# Altium PCB GameBoard_V1I1_Phase1.PcbDoc (part 17 of 18)
Units mm, origin at the board's own origin, x right, y up, seen from the top; angles counter-clockwise.
Board outline 182 x 70.2 mm, 12 copper layers (L1, L2, L3, L4, L5 (PWR), L6 (PWR), L7 (PWR), L8 (PWR), L9, L10, L11, L12), stack 2.079 mm thick; 1542 components, 1068 nets, 5447 pads, 3805 vias.
Unrouted connection lines stored in the file: 2.
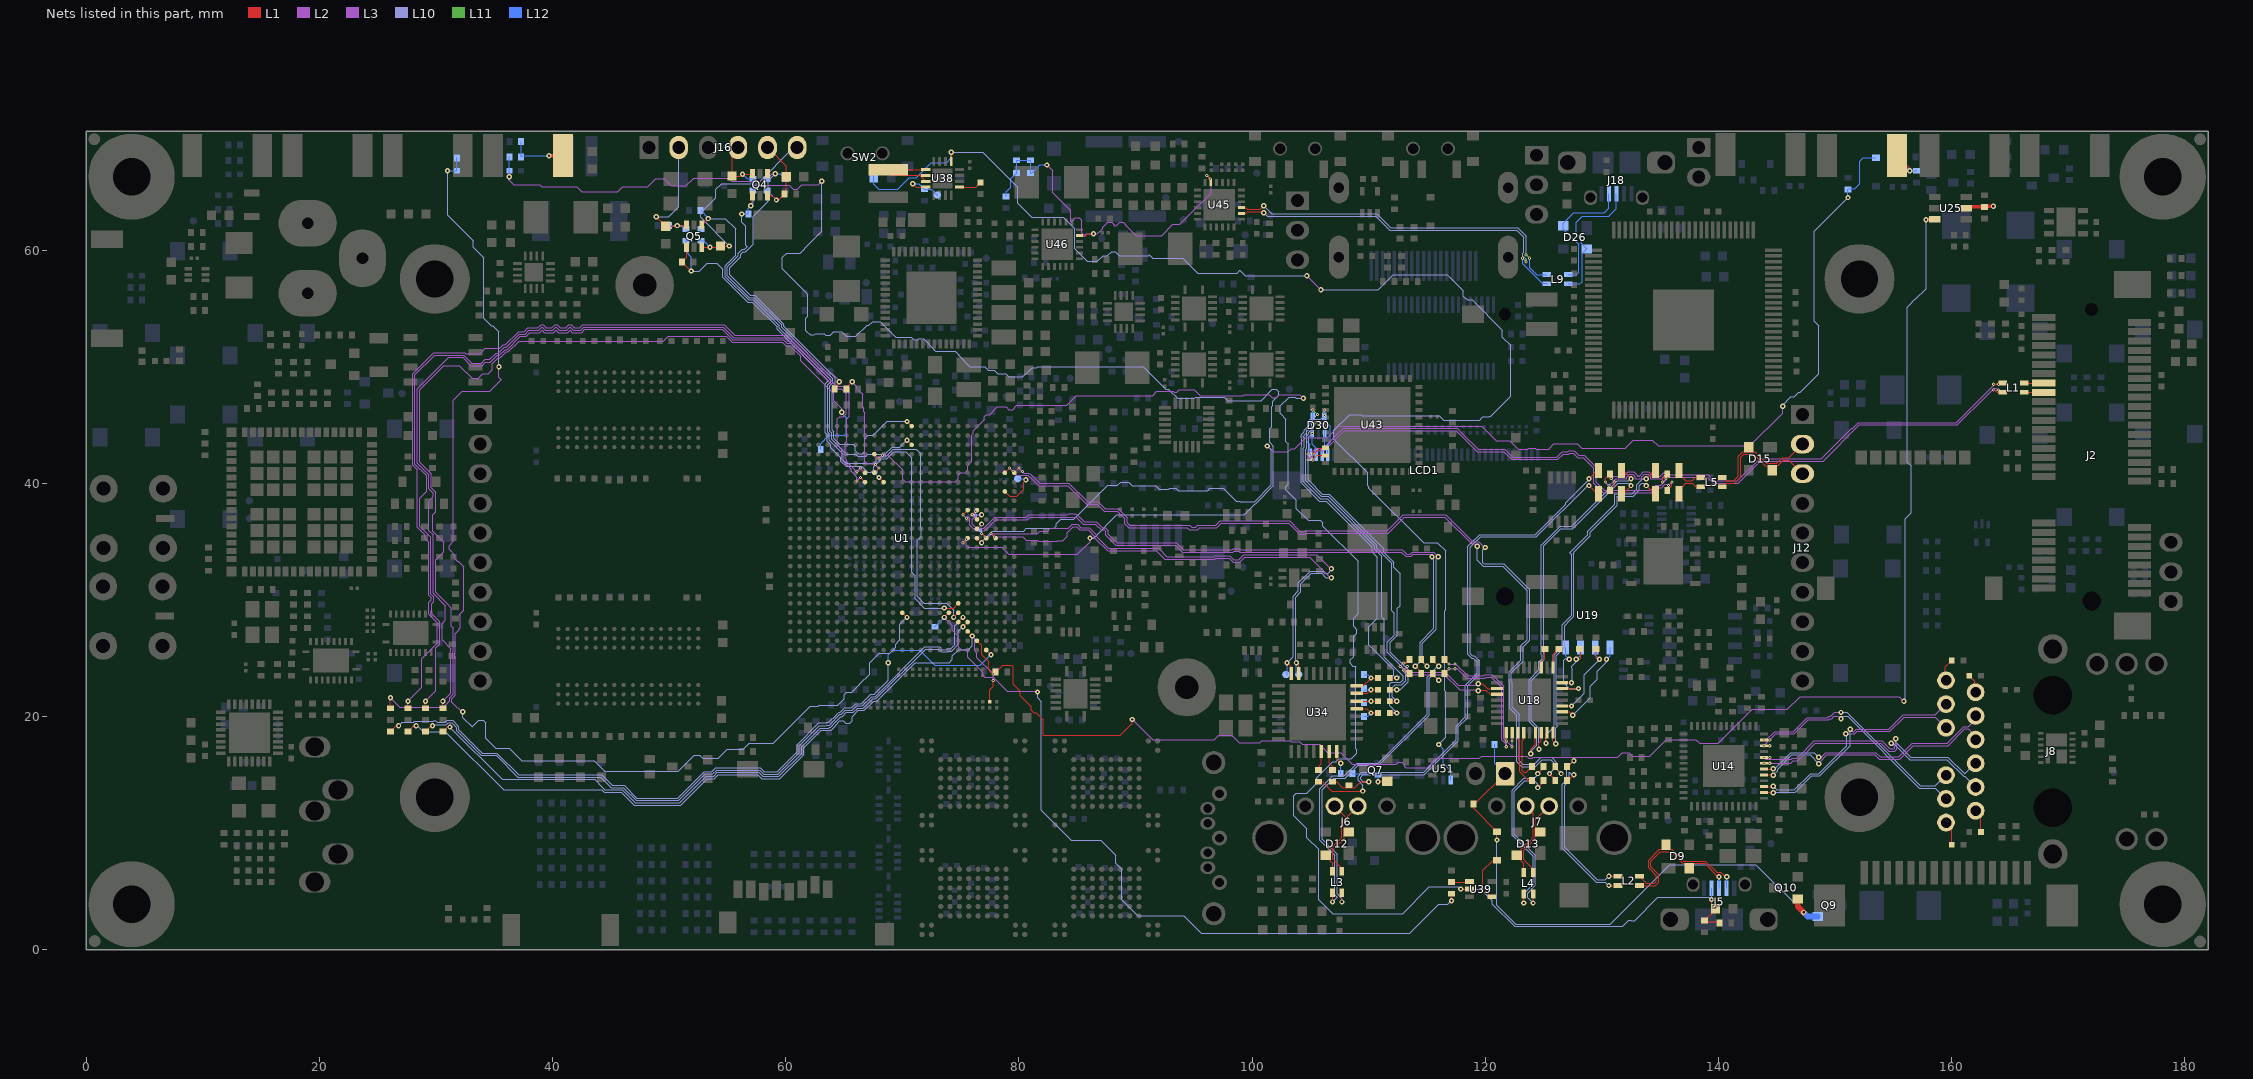
[diagram p27: the nets of this part, all layers, seen from the top]

## Via types
v1: diameter 0.45, hole 0.2, L1 to L12, 1937 vias
v2: diameter 0.45, hole 0.2, L1 to L12, tented both sides, 1004 vias
v3: diameter 0.27, hole 0.1, L1 to L2, 337 vias
v4: diameter 0.27, hole 0.1, L2 to L3, 335 vias
v5: diameter 0.27, hole 0.1, L10 to L11, 96 vias
v6: diameter 0.27, hole 0.1, L11 to L12, 94 vias
v7: diameter 0.27, hole 0.1, L3 to L5 (PWR), 2 vias

## Nets (pads, with @x,y where several pads share a name; then routed paths per layer and width w, separated by ;. In a path a pad name is that pad's centre, name@x,y a point inside that pad or via, vN(x,y) a via of type N, cw(c..) or ccw(c..) an arc to the next point about the centre after c; other vN are vias at no path point) (continued)
SYS_ENABLE: SW2.2 U38.13 U51.1 | length 126
  L1 w0.1: U38.13@74.2,67.6 v1(74.2,68.4)
  L3 w0.1: v1(104.7,57.8) v1(105.9,56.6)
  L10 w0.1: v1(74.2,68.4) 76.9,68.4 79.9,65.4 79.9,64 81.1,62.8 83.8,62.8 84.775,61.825 84.775,60.095 85.845,59.025 86.725,59.025 87.225,59.525 87.595,59.525 87.945,59.875 88.255,59.875 88.605,59.525 91.125,59.525 91.2,59.6 91.5,59.3 94.042,59.3 95.317,58.025 98.708,58.025 98.941,58.259 99.4,57.8 v1(104.7,57.8) ; v1(105.9,56.6) 110.817,56.6 112.117,57.9 116.717,57.9 118.125,56.492 118.125,56.062 118.462,55.725 118.892,55.725 121.475,53.142 121.475,52.538 122.167,51.846 122.167,47.467 120.453,45.753 120.402,45.753 120.35,45.7 119.783,45.7 119.508,45.425 116.445,45.425 116.07,45.8 112.849,45.8 112.831,45.783 109.454,45.783 109.351,45.885 108.362,45.885 107.015,44.538 107.015,43.785 109.9,40.9 109.9,39.78 110.025,39.655 110.025,39.575 114.7,34.9 115.9,34.9 116.6,34.2 116.6,29.174 116.507,29.081 116.507,22.19 116.6,22.097 116.6,18.2 v1(116,17.6)
  L12 w0.1: SW2.2@67.55,66.55 67.55,65.65 68,65.2 69.6,65.2 70.6,66.2 71.2,66.2 72.5,67.5 73.8,67.5 74.2,67.9 v1(74.2,68.4) ; v1(116,17.6) 116.4,17.2 116.4,16 117.05,15.35 U51.1@117.05,14.55
SYS_PG: R317.1 TP23.1 U38.4 | length 3.7
  L1 w0.1: v1(70.9,65.7) 71.2,65.4 U38.4@72,65.4
  L12 w0.1: v1(70.9,65.7) 71.425,65.7 R317.1@71.9,65.225 72.5,65.225 TP23.1@73,64.725
SYS_SS: C356.2 U38.9 | length 2
  L1 w0.1: U38.9@74.9,65.4 76.3,65.4 C356.2@76.7,65.8
SYS_SW: L8.1 U38.1 U38.2 U38.3 | length 7.3
  L1 w0.1: U38.3@72,65.9 71.5,66.4 ; U38.2@72,66.4 71.5,66.4 ; U38.1@72,66.9 68.915,66.9 68.8,66.785 69.185,66.4 71.5,66.4
TAMPER: R80.1 U1.E11 | length 1.2
  L1 w0.1: U1.E11@76.4,36.9 v1(76.8,37.3)
  L12 w0.1: R80.1@76.265,37.1 76.465,37.3 v1(76.8,37.3)
TCT0: C262.2 J8.12 | length 2
  L1 w0.1: J8.12@159.456,23.07 159.456,24.256 C262.2@160,24.8
TCT1: C263.2 J8.6 | length 1.7
  L1 w0.1: C263.2@161.5,23.5 161.996,23.004 J8.6@161.996,22.054
TCT2: C264.2 J8.1 | length 2
  L1 w0.1: J8.1@161.996,11.894 162.5,11.39 C264.2@162.5,10.1
TCT3: C265.2 J8.7 | length 2.1
  L1 w0.1: J8.7@159.456,10.878 160,10.334 C265.2@160,9
TEMP_ADD0: R243.2 R245.2 U25.5 | length 2.4
  L1 w0.3: U25.5@161.25,63.6 161.35,63.7 R243.2@162.8,63.7 162.85,63.75 v2(163.575,63.75)
TEMP_ALERT: R48.1 U1.E24 U25.3 | length 135.9
  L1 w0.093: U1.E24@76.4,26.5 76.8,26.1 76.8,25.3 77.4,24.7 77.4,24 77.6,23.8 R48.1@78,23.8 78.6,24.4 79.4,24.4 79.5,24.3 79.5,22.757 80.1,22.157 80.1,21.8 81.072,20.828 81.072,20.528 81.153,20.447 81.161,20.447 81.247,20.361 81.247,20.353 81.272,20.328 81.472,20.328 82.1,19.7 82.1,18.4 88.7,18.4 89.728,19.429 v1(89.728,19.746)
  L1 w0.3: v2(157.8,62.6) 158.525,62.6 U25.3@158.575,62.65
  L3 w0.093: v1(89.728,19.746) 91.475,18 96.775,18 97.146,18.372 98.254,18.372 98.897,17.728 100.654,17.728 100.825,17.9 103.275,17.9 103.346,17.828 104.072,17.828 104.3,17.6 105.8,17.6 106.5,16.9 107.6,16.9 108.604,15.896 112.371,15.896 112.546,16.071 112.854,16.071 113.072,15.854 113.072,15.689 113.161,15.6 115,15.6 115.8,16.4 119.5,16.4 119.7,16.6 123.575,16.6 123.746,16.428 124.054,16.428 124.125,16.5 131.375,16.5 131.746,16.872 132.328,16.872 132.6,16.6 134.1,16.6 135.521,18.021 138.054,18.021 138.375,17.7 140,17.7 142.9,20.6 145.9,20.6 147,21.7 155.5,21.7 v1(155.9,21.3)
  L10 w0.1: v1(155.9,21.3) 156,21.4 156,36.97 156.515,37.485 156.515,41.497 156.2,41.812 156.2,55.1 156.625,55.525 156.625,55.555 156.845,55.775 156.875,55.775 157.8,56.7 v2(157.8,62.6)
TEST_MODE: R84.2 U1.E12 | length 1.1
  L1 w0.1: U1.E12@76.4,36.1 v1(76.8,36.5)
  L12 w0.1: R84.2@76.7,35.965 76.7,36.4 v1(76.8,36.5)
TRD0_N: J8.10 U14.3 | length 19.4
  L1 w0.1: U14.3@143.89,13.99 v1@144.675,13.99
  L3 w0.1: v1(150.911,18.511) 150.922,18.5 151.683,18.5 151.898,18.715 154.698,18.715 155.931,19.948 158.597,19.948 J8.10@159.513,19.032
  L10 w0.1: v1(144.7,14.015) 145.015,13.7 146.517,13.7 147.917,15.1 148.6,15.1 151,17.5 151,18.422 v1(150.911,18.511)
TRD0_P: J8.11 U14.2 | length 19.7
  L1 w0.1: U14.2@143.89,13.49 v1@144.675,13.49
  L3 w0.1: v1(151.3,18.9) 151.5,18.7 151.6,18.7 151.815,18.915 154.615,18.915 155.848,20.148 158.597,20.148 J8.11@159.513,21.064
  L10 w0.1: v1(144.7,13.465) 144.735,13.5 146.6,13.5 148,14.9 148.683,14.9 151.286,17.503 151.286,18.886 v1(151.3,18.9)
TRD1_N: J8.5 U14.6 | length 20.8
  L1 w0.1: U14.6@143.89,15.49 144.675,15.49 v1(144.7,15.515)
  L3 w0.1: v1(148.6,16.5) 148.817,16.5 149.217,16.9 153.5,16.9 153.859,16.541 155.459,16.541 156.617,17.7 159.617,17.7 161.049,19.132 161.4,19.132 162.053,19.785 J8.5@162.053,20.048
  L10 w0.1: v1(144.7,15.515) 144.832,15.515 146.217,16.9 148.2,16.9 v1(148.6,16.5)
TRD1_P: J8.4 U14.5 | length 21.6
  L1 w0.1: U14.5@143.89,14.99 144.675,14.99 v1(144.7,14.965)
  L3 w0.1: v1(148.6,15.95) 148.6,15.97 149,16.37 149,16.4 149.3,16.7 153.417,16.7 153.776,16.341 155.541,16.341 156.7,17.5 159.7,17.5 161.132,18.932 161.4,18.932 162.053,18.279 J8.4@162.053,18.016
  L10 w0.1: v1(144.7,14.965) 144.7,14.985 145.075,15.36 145.075,15.475 146.3,16.7 147.85,16.7 v1(148.6,15.95)
  L12 w0.1: v1(144.7,14.965) v1@144.7,15.14
TRD2_N: J8.2 U14.8 | length 22.6
  L1 w0.1: v4(143.89,16.49) v3(144.39,16.49)
  L3 w0.1: v4(143.89,16.49) 144.039,16.341 146.259,16.341 146.317,16.4 146.717,16.4 147.342,17.025 147.355,17.025 147.575,17.245 147.575,17.258 148.217,17.9 154,17.9 154.683,17.217 155.034,17.217 155.1,17.283 155.1,17.422 v1(154.811,17.711)
  L10 w0.1: v1(154.811,17.711) 155.006,17.711 156.417,16.3 159.585,16.3 161.017,14.868 161.137,14.868 J8.2@162.053,13.952
  L2 w0.1: v4(143.89,16.49) v3(144.39,16.49)
TRD2_P: J8.3 U14.7 | length 23.1
  L1 w0.1: v4(143.89,15.99) v3(144.39,15.99)
  L3 w0.1: v4(143.89,15.99) 146.19,15.99 146.4,16.2 146.8,16.2 147.425,16.825 147.438,16.825 147.775,17.162 147.775,17.175 148.3,17.7 153.917,17.7 154.6,17.017 155.117,17.017 155.3,17.2 155.3,17.505 155.186,17.619 155.186,18.086 v1(155.2,18.1)
  L10 w0.1: v1(155.2,18.1) 155.2,17.8 156.5,16.5 159.668,16.5 161.1,15.068 161.137,15.068 J8.3@162.053,15.984
  L2 w0.1: v4(143.89,15.99) v3(144.39,15.99)
TRD3_N: J8.9 U14.11 | length 20.6
  L1 w0.1: v4(143.89,17.99) v3(144.39,17.99)
  L3 w0.1: v4(143.89,17.99) 144.107,17.99 144.817,18.7 146.417,18.7 147.617,19.9 149.351,19.9 149.476,20.025 149.642,20.025 149.967,20.35 v1(150.5,20.35)
  L10 w0.1: v1(150.5,20.35) 151.002,20.35 157.3,14.052 158.597,14.052 J8.9@159.513,14.968
  L2 w0.1: v4(143.89,17.99) v3(144.39,17.99)
TRD3_P: J8.8 U14.10 | length 20.8
  L1 w0.1: v4(143.89,17.49) v3(144.39,17.49)
  L3 w0.1: v4(143.89,17.49) 144.9,18.5 146.5,18.5 147.7,19.7 149.434,19.7 149.559,19.825 149.725,19.825 149.9,20 150.3,20 v1(150.5,19.8)
  L10 w0.1: v1(150.5,19.8) 150.7,20 151.069,20 157.217,13.852 158.597,13.852 J8.8@159.513,12.936
  L2 w0.1: v4(143.89,17.49) v3(144.39,17.49)
TS: R477.1 R478.1 R483.2 R484.2 R485.2 U45.11 U46.11 | length 33.1
  L1 w0.1: U46.11@85.2,61.25 85.25,61.2 85.7,61.2 85.9,61.4 v1(86.4,61.4) ; v3(96.115,66.4) 96.45,66.065 U45.11@96.45,65.8
  L3 w0.1: v1(82.4,67.3) 82.9,66.8 82.9,64.9 84.425,63.375 84.425,62.445 84.514,62.445 84.845,62.775 85.155,62.775 85.375,62.555 85.375,61.495 85.62,61.25 85.77,61.4 v1(86.4,61.4) 86.73,61.4 87.175,61.845 87.175,61.945 87.605,62.375 87.955,62.375 88.175,62.155 88.175,62.095 88.364,62.095 88.645,62.375 88.955,62.375 89.175,62.155 89.175,62.145 90.07,61.25 92.25,61.25 93.2,62.2 93.8,62.2 95.65,64.05 95.68,64.05 96.5,64.87 96.5,66.015 v4(96.415,66.1)
  L2 w0.1: v3(96.115,66.4) v4(96.415,66.1)
  L12 w0.1: R485.2@78.9,64.6 78.9,65 79.3,65.4 79.3,66.1 R477.1@79.8,66.6 R484.2@79.8,67.7 R483.2@81,67.7 R478.1@81,66.6 81.1,66.6 81.8,67.3 v1(82.4,67.3)
TS_X+: C333.1 D30.5 FB38.2 LCD1.37 | length 37.6
  L1 w0.1: FB38.2@111.8,20.3 v1(112.4,20.3)
  L10 w0.1: v5(106.2,45.8) 105.885,45.485 105.282,45.485 105.1,45.303 105.1,44.886 104.677,44.463 104.677,44.343 104.475,44.141 104.475,44.096 104.4,44.021 104.4,43.979 104.475,43.904 104.475,43.096 104.4,43.021 104.4,40.134 105.859,38.675 106.438,38.675 110.5,34.613 110.5,34.334 111.1,33.734 111.1,28.509 111.325,28.284 111.325,25.475 111.33,25.47 111.33,25.1 112.975,23.455 112.975,23.145 112.755,22.925 111.925,22.925 111.8,22.8 111.8,20.9 v1(112.4,20.3)
  L11 w0.1: v5(106.2,45.8) v6(106.2,46.3)
  L12 w0.1: v6(106.2,46.3) D30.5@106.2,45.75 106.2,45.4 106.7,44.9 106.7,43.5 106.5,43.3 LCD1.37@106.5,42.45 ; C333.1@111.8,20.3 v1(112.4,20.3)
TS_X+_B: FB38.1 R290.2 U34.21 | length 2.7
  L1 w0.1: U34.21@108.975,20.675 109.825,20.675 v1(110.2,20.3) FB38.1@110.8,20.3
  L12 w0.1: R290.2@109.6,20 109.9,20 v1(110.2,20.3)
TS_X-: C334.1 D30.1 FB39.2 LCD1.38 | length 34.3
  L1 w0.1: FB39.2@111.8,21.3 v1(112.4,21.3)
  L10 w0.1: v5(105.4,45.2) 105.4,45.08 105.306,44.986 105.306,44.809 104.877,44.38 104.877,44.26 104.675,44.058 104.675,44.013 104.662,44 104.675,43.987 104.675,43.013 104.6,42.938 104.6,40.217 105.942,38.875 106.521,38.875 110.7,34.696 110.7,34.417 111.955,33.162 111.955,29.082 112.2,28.838 112.2,26.983 111.583,26.366 111.583,25.5 113.175,23.908 113.175,23.062 112.838,22.725 112.295,22.725 112.025,22.455 112.025,21.675 v1(112.4,21.3)
  L11 w0.1: v5(105.4,45.2) v6(105.9,45.2)
  L12 w0.1: v6(105.9,45.2) 106.238,44.862 D30.1@106.238,44.25 106.238,43.188 106,42.95 LCD1.38@106,42.45 ; C334.1@111.8,21.3 v1(112.4,21.3)
TS_X-_B: FB39.1 R291.2 U34.22 | length 2.4
  L1 w0.1: U34.22@108.975,21.325 110.175,21.325 v1(110.2,21.3) FB39.1@110.8,21.3
  L12 w0.1: R291.2@109.6,21.325 110.175,21.325 v1(110.2,21.3)
TS_Y+: C336.1 D30.4 FB41.2 LCD1.40 | length 34.2
  L1 w0.1: FB41.2@111.8,23.3 v1(112.4,23.3)
  L10 w0.1: v5(105.6,45.9) 105.385,45.685 105.199,45.685 104.9,45.386 104.9,44.969 104.477,44.546 104.477,44.426 104.275,44.224 104.275,44.179 104.2,44.104 104.2,43.896 104.275,43.821 104.275,43.179 104.2,43.104 104.2,40.051 105.776,38.475 106.355,38.475 110.3,34.53 110.3,34.09 110.751,33.638 110.751,28.444 110.008,27.7 110.008,26.14 112.135,24.013 112.135,23.482 112.252,23.365 112.418,23.365 112.535,23.482 112.6,23.417 112.483,23.3 v1(112.4,23.3)
  L11 w0.1: v6(105.2,46.3) v5(105.6,45.9)
  L12 w0.1: LCD1.40@105,42.45 104.962,42.488 104.962,43.338 104.7,43.6 104.7,44.8 105.2,45.3 D30.4@105.2,45.75 v6(105.2,46.3) ; C336.1@111.8,23.3 v1(112.4,23.3)
TS_Y+_B: FB41.1 R293.2 U34.24 | length 2.8
  L1 w0.1: U34.24@108.975,22.625 109.525,22.625 v1(110.2,23.3) FB41.1@110.8,23.3
  L12 w0.1: R293.2@109.6,23.6 109.9,23.6 v1(110.2,23.3)
TS_Y-: C335.1 D30.3 FB40.2 LCD1.39 | length 31.4
  L1 w0.1: FB40.2@111.8,22.3 v1(112.4,22.3)
  L10 w0.1: v5(105.162,44.262) 104.875,43.975 104.875,42.93 104.8,42.855 104.8,40.3 106.025,39.075 106.604,39.075 111.3,34.379 111.3,34.1 112.155,33.245 112.155,32.8 112.7,32.255 112.7,29.5 112.466,29.266 112.466,26.966 111.866,26.366 111.866,25.5 113.375,23.991 113.375,22.979 112.696,22.3 v1(112.4,22.3)
  L11 w0.1: v5(105.162,44.262) v6(105.162,44.762)
  L12 w0.1: v6(105.162,44.762) D30.3@105.162,44.25 105.162,43.338 105.5,43 LCD1.39@105.5,42.45 ; C335.1@111.8,22.3 v1(112.4,22.3)
TS_Y-_B: FB40.1 R292.2 U34.23 | length 2.6
  L1 w0.1: U34.23@108.975,21.975 109.875,21.975 v1(110.2,22.3) FB40.1@110.8,22.3
  L12 w0.1: R292.2@109.6,22.3 v1(110.2,22.3)
UART1_CTS: Q5.4 R236.1 R239.1 U1.G21 | length 55.2
  L1 w0.093: Q5.4@52.8,62.15 v1(53.35,62.7) ; v2(74.4,28.5) U1.G21@74.8,28.9
  L10 w0.093: v1(53.35,62.7) 54.825,62.7 55.7,61.825 55.7,59.546 54.814,58.66 54.814,57.732 56.809,55.736 57.206,55.736 59.447,53.496 59.447,53.287 63.843,48.891 63.843,48.706 63.597,48.46 63.597,44.393 63.736,44.254 63.736,43.692 64.929,42.5 64.929,41.971 65.2,41.7 67.598,41.7 67.765,41.866 67.765,42.237 67.806,42.279 68.584,42.279 69.205,42.9 71.2,42.9 71.575,42.525 71.575,36.2 71.629,36.146 71.629,35.429 71.3,35.1 71.3,30.3 71.629,29.971 71.629,29.946 71.875,29.7 73.8,29.7 74.4,29.1 v2(74.4,28.5)
  L12 w0.093: R236.1@52.7,63.4 53.35,62.75 v1(53.35,62.7) 52.75,62.1 R239.1@52.75,61.8
UART1_CTS_FTDI: D20.1 J16.6 Q5.3 R239.2 | length 18.2
  L1 w0.093: Q5.3@52.8,60.25 v1(53.5,60.25) 54.3,60.25 D20.1@54.4,60.35 v1(55.15,60.35)
  L10 w0.093: v1(55.15,60.35) 52.7,62.8 52.7,63.2 54,64.5 54,65.2 54.5,65.7 57.6,65.7 60.7,68.8 J16.6@60.98,68.8
  L12 w0.093: R239.2@52.75,60.8 52.95,60.8 v1(53.5,60.25)
UART1_RTS: Q5.1 R237.1 R240.1 U1.G20 | length 53.6
  L1 w0.093: Q5.1@51.5,60.25 51.5,59.4 R237.1@51.1,59 v1(51.9,58.2) ; v2(73.6,29.3) 74.4,29.3 U1.G20@74.8,29.7
  L10 w0.093: v1(51.9,58.2) 52.592,58.2 53.263,58.872 54.106,58.872 54.621,58.357 54.621,57.652 56.729,55.543 57.126,55.543 59.254,53.416 59.254,53.207 63.65,48.811 63.65,48.786 63.404,48.54 63.404,44.313 63.543,44.174 63.543,43.612 63.85,43.306 63.85,43.068 64.736,42.181 64.736,41.891 65.177,41.451 66.524,41.451 67.046,40.928 67.354,40.928 67.572,41.146 67.572,41.4 68.257,42.086 68.664,42.086 69.278,42.7 70.3,42.7 70.8,42.2 70.8,32.371 71.093,32.078 71.093,30.107 71.9,29.3 v2(73.6,29.3)
  L12 w0.093: R240.1@51.45,60.8 51.45,59.85 51.9,59.4 v1(51.9,58.2)
UART1_RTS_FTDI: D21.1 J16.2 Q5.6 R238.1 R240.2 | length 11.9
  L1 w0.093: v1(48.9,62.85) D21.1@49.7,62.05 50.65,62.05 v1(50.7,62.1) 51.45,62.1 Q5.6@51.5,62.15
  L10 w0.093: v1(48.9,62.85) 49.95,62.85 50.82,63.72 J16.2@50.82,68.8
  L12 w0.093: R238.1@50,62.1 v1(50.7,62.1) 51.15,62.1 R240.2@51.45,61.8
UART1_RXD: Q4.1 R231.1 R234.1 U1.M3 | length 36.3
  L1 w0.093: v1(57,63.8) 57.15,63.95 Q4.1@57.15,64.65 ; v2(70.4,43.7) U1.M3@70.8,43.3
  L10 w0.093: v1(56.239,63.102) 56.239,62.386 56.571,62.054 56.571,60.401 56.7,60.273 56.492,60.065 56.266,60.065 55.935,59.734 55.935,59.508 55.007,58.58 55.007,57.812 56.889,55.929 57.286,55.929 59.64,53.576 59.64,53.367 64.036,48.971 64.036,48.626 63.79,48.38 63.79,44.473 63.929,44.334 63.929,43.772 65.202,42.5 66.002,42.5 66.166,42.336 66.91,42.336 67.046,42.472 68.504,42.472 69.132,43.1 69.8,43.1 v2(70.4,43.7)
  L12 w0.093: v1(56.239,63.102) 56.242,63.1 R231.1@56.8,63.1 56.8,63.6 v1(57,63.8) 57.2,64 R234.1@57.2,65.1
UART1_RXD_FTDI: D16.1 J16.4 Q4.6 R234.2 | length 5.6
  L1 w0.093: J16.4@55.9,68.8 55.4,68.3 D16.1@55.4,66.35 56.15,66.35 v1(56.3,66.5) 57.1,66.5 Q4.6@57.15,66.55
  L12 w0.093: v1(56.3,66.5) 56.7,66.1 R234.2@57.2,66.1
UART1_TXD: Q4.4 R232.1 R235.1 U1.M1 | length 40.6
  L1 w0.093: Q4.4@58.45,66.55 v1(59.1,66.55) ; v2(70.4,45.3) U1.M1@70.8,44.9
  L10 w0.093: v1(59.1,66.55) 58.5,65.95 58.5,64.175 57.954,63.628 57.928,63.628 57.2,62.9 57.2,60.5 56.571,59.872 56.346,59.872 56.128,59.654 56.128,59.428 55.2,58.5 55.2,57.892 56.969,56.122 57.366,56.122 59.833,53.656 59.833,53.447 64.228,49.051 64.228,48.546 63.983,48.3 63.983,44.553 64.122,44.413 64.122,43.852 64.646,43.329 65.771,43.329 65.975,43.125 65.975,42.8 66.246,42.529 66.554,42.529 66.771,42.746 66.771,43.797 67.075,44.1 67.5,44.1 68.7,45.3 v2(70.4,45.3)
  L12 w0.093: R235.1@58.4,66.1 58.85,66.55 v1(59.1,66.55) 59.55,66.55 R232.1@60,66.1
UART1_TXD_FTDI: D17.1 J16.5 Q4.3 R233.1 R235.2 | length 7.7
  L1 w0.1: J16.5@58.44,68.8 60.05,67.19 D17.1@60.05,66.3 60.05,64.95 R233.1@59.9,64.8 59.4,64.3 v1(59.2,64.3) 58.85,64.65 Q4.3@58.45,64.65
  L12 w0.1: R235.2@58.4,65.1 v1(59.2,64.3)
UART2_RXD: TP19.1 U1.D13 U34.32 | length 46.1
  L1 w0.1: v3(76.8,35.7) U1.D13@77.2,35.3 ; v1(103,24.6) 103.35,24.25 U34.32@103.35,23.7
  L3 w0.1: v4(77.1,35.4) 77.4,35.4 77.685,35.685 81.555,35.685 81.77,35.9 82.483,35.9 82.708,36.125 84.212,36.125 84.562,36.475 85.038,36.475 85.313,36.2 86.013,36.2 86.675,35.538 86.675,35.425 87.675,34.425 91.975,34.425 92.7,33.7 96.714,33.7 96.799,33.785 98.098,33.785 98.225,33.658 98.225,33.645 98.445,33.425 98.842,33.425 99.292,33.875 105.525,33.875 106.775,32.625 106.8,32.65 v1(106.8,32.675)
  L10 w0.1: v1(103,24.6) 103.525,25.125 103.525,30.325 103.975,30.775 103.975,31.45 105,32.475 106.038,32.475 106.213,32.3 106.517,32.3 106.8,32.583 v1(106.8,32.675)
  L2 w0.1: v3(76.8,35.7) v4(77.1,35.4)
  L12 w0.1: TP19.1@103,23.6 v1(103,24.6)
UART2_TXD: TP20.1 U1.C13 U34.31 | length 45.3
  L1 w0.1: v3(77.6,35.7) U1.C13@78,35.3 ; v1(103.8,24.6) 104,24.4 U34.31@104,23.7
  L3 w0.1: v4(77.9,35.4) 80.35,35.4 80.65,35.1 81.57,35.1 81.645,35.025 83.295,35.025 83.345,35.075 83.75,35.075 84.125,35.45 84.125,35.755 84.645,36.275 84.955,36.275 85.23,36 85.93,36 86.475,35.455 86.475,35.342 87.617,34.2 91.8,34.2 92.5,33.5 96.797,33.5 96.882,33.585 98.015,33.585 98.025,33.575 98.025,33.562 98.362,33.225 98.925,33.225 99.375,33.675 99.855,33.675 99.857,33.674 99.858,33.675 104.925,33.675 106.7,31.9 v1(106.8,31.9)
  L10 w0.1: v1(103.8,24.6) 103.725,24.675 103.725,30.242 104.175,30.692 104.175,31.367 105.083,32.275 105.955,32.275 106.33,31.9 v1(106.8,31.9)
  L2 w0.1: v3@77.6,35.7 v4(77.9,35.4)
  L12 w0.1: v1(103.8,24.6) 103.8,23.8 TP20.1@104,23.6
UART3_CTS: R531.1 U1.D25 | length 63.6
  L1 w0.093: U1.D25@77.2,25.7 v2(77.6,25.3)
  L1 w0.1: R531.1@26.1,18.7 26.6,19.2 v1(26.8,19.2)
  L10 w0.093: v1(26.8,19.2) 27.104,19.504 28.078,19.504 28.146,19.572 29.799,19.572 29.92,19.693 30.11,19.504 30.805,19.504 30.966,19.664 31.434,19.664 31.928,19.17 31.928,18.919 33.983,16.865 35.235,16.865 37.1,15 44.207,15 45.118,14.089 46.144,14.089 47.244,12.989 50.747,12.989 53.018,15.261 53.648,15.261 53.987,15.6 57.834,15.6 58.179,15.255 59.255,15.255 60.972,16.972 60.972,17.572 62.853,19.453 63.479,19.453 63.525,19.5 63.7,19.5 64.367,20.167 64.367,20.172 64.574,20.378 64.695,20.378 65.046,20.729 65.629,20.729 66,21.1 66.498,21.1 67.305,21.906 67.583,21.906 68.8,23.124 v2(68.8,24.6)
  L12 w0.093: v2(68.8,24.6) 68.8,25.3 69.2,25.7 71.5,25.7 72.8,24.4 76.7,24.4 v2(77.6,25.3)
UART3_RTS: R530.1 R673.1 U1.F23 | length 66.3
  L1 w0.1: R530.1@27.6,18.7 28.1,19.2 v1(28.3,19.2) ; U1.F23@75.6,27.3 v2(76,26.9) ; R673.1@77.5,21.265 77.5,22.3 77.8,22.6 v3(77.8,23.1)
  L3 w0.1: v2(76,26.9) 76.2,26.7 76.2,25.617 76.404,25.414 76.404,25.058 77.654,23.807 77.732,23.807 77.8,23.739 v4(77.8,23.635)
  L10 w0.093: v1(28.3,19.2) v1@28.4,19.2
  L10 w0.1: v1@28.4,19.2 28.918,18.682 30.818,18.682 35.8,13.7 44.217,13.7 44.417,13.5 45.9,13.5 47,12.4 50.991,12.4 53.263,14.672 53.892,14.672 54.231,15.011 57.589,15.011 57.935,14.665 59.499,14.665 61.561,16.728 61.561,17.328 63.034,18.8 63.8,18.8 63.871,18.871 63.941,18.871 64.282,19.212 64.282,19.259 64.643,19.62 64.95,19.62 65.17,19.4 65.48,19.4 65.7,19.62 65.7,19.976 66.241,20.518 66.74,20.518 67.546,21.324 67.824,21.324 71.125,24.625 72.955,24.625 74.025,24.625 74.3,24.9 74.3,25.2 74.825,25.725 75.647,25.725 76,26.078 v2(76,26.9)
  L2 w0.1: v3(77.8,23.1) v4(77.8,23.635)
UART3_RXD: R585.1 U1.G22 | length 58.2
  L1 w0.093: U1.G22@74.8,28.1 v2(75.2,28.5)
  L1 w0.1: R585.1@29.1,18.7 29.6,19.2 v1(29.7,19.2)
  L10 w0.093: v1(29.7,19.2) 29.811,19.311 30.885,19.311 31.046,19.472 31.354,19.472 31.735,19.09 31.735,18.839 33.903,16.672 35.156,16.672 37.02,14.807 44.127,14.807 45.038,13.897 46.064,13.897 47.164,12.796 50.827,12.796 53.098,15.068 53.728,15.068 54.067,15.407 57.754,15.407 58.099,15.062 59.335,15.062 61.165,16.892 61.165,17.492 62.873,19.2 63.4,19.2 63.46,19.26 63.78,19.26 63.893,19.374 63.893,19.42 64.56,20.088 64.56,20.092 64.654,20.185 64.775,20.185 65.126,20.536 65.709,20.536 66.08,20.907 66.578,20.907 67.385,21.713 67.662,21.713 71.929,25.98 73.195,25.98 73.446,25.729 73.754,25.729 73.818,25.793 74.142,25.793 74.5,26.151 74.5,27.8 v2(75.2,28.5)
UART3_TXD: R584.1 U1.F22 | length 55.8
  L1 w0.093: v2(75.2,27.7) U1.F22@75.6,28.1
  L1 w0.1: R584.1@30.6,18.7 31,19.1 v1(31.2,19.1)
  L10 w0.093: 63.7,19 63.767,19.067 63.86,19.067 64.086,19.294 64.086,19.34 64.738,19.992 64.855,19.992 65.206,20.343 65.789,20.343 66.16,20.714 66.658,20.714 67.464,21.52 67.742,21.52 72.009,25.787 73.115,25.787 73.366,25.536 73.834,25.536 73.898,25.6 74.222,25.6 74.8,26.178 74.8,27.3 v2(75.2,27.7)
  L10 w0.1: v1(31.2,19.1) 31.2,19.097 35.697,14.6 43.63,14.6 43.975,14.255 43.975,14.225 44.5,13.7 45.983,13.7 47.083,12.6 50.908,12.6 53.18,14.872 53.81,14.872 54.148,15.211 57.672,15.211 58.018,14.865 59.416,14.865 61.362,16.811 61.362,17.411 62.951,19 63.7,19
UART5_CTS: R581.1 R628.1 | length 83.2
  L1 w0.1: R628.1@26.1,20.7 v1(26.1,21.6)
  L3 w0.093: v1(26.1,21.6) 26.9,20.8 30.625,20.8 31.172,21.346 31.172,21.594 31.475,21.898 31.475,25.026 31.436,25.066 31.436,25.534 31.475,25.574 31.475,27.599 31.328,27.746 31.328,29.285 30.921,29.693 30.921,29.721 29.971,30.67 29.971,33.446 30.672,34.146 30.672,34.951 29.729,35.894 29.729,37.303 29.971,37.546 29.971,39.237 29.596,39.612 29.596,40.803 28.6,41.8 28.6,48.025 30.675,50.1 32,50.1 33.1,49 33.451,49 33.538,48.913 34.022,49.396 34.496,49.396 34.829,49.729 34.829,50.255 35.351,50.777 35.519,50.777 36.013,51.272 36.198,51.272 37.126,52.2 49.504,52.2 49.907,52.604 54.887,52.604 55.394,52.096 59.704,52.096 60.007,51.793 60.36,51.793 61.278,50.876 61.278,50.522 64.113,47.688 64.113,47.088 64.8,46.4 v2(64.8,46.1)
  L12 w0.093: R581.1@63,42.9 63,43.4 63.7,44.1 65,44.1 65.2,44.3 65.2,45.6 64.8,46 v2(64.8,46.1)
UART5_RTS: R626.2 R627.1 | length 72.8
  L1 w0.1: R627.1@27.6,20.7 v1(27.6,21.3) ; R626.2@64.2,48.1 64.2,48.2 v1@64.7,48.7
  L3 w0.1: v1(27.6,21.3) 28.8,22.5 28.8,24.966 30.125,26.291 30.125,28.022 29.4,28.747 29.4,29.817 29.6,30.017 29.6,30.17 29.375,30.395 29.375,34.955 29.041,35.29 29.041,35.607 28.4,36.247 28.4,38.813 28.407,38.82 28.407,41.149 28.004,41.553 28.004,49.386 29.817,51.2 32.466,51.2 32.541,51.125 33.795,51.125 34.245,51.575 35.473,51.575 35.766,51.868 35.951,51.868 37.083,53 37.566,53 37.891,53.325 38.738,53.325 39.013,53.6 39.187,53.6 39.462,53.325 39.938,53.325 40.213,53.6 40.387,53.6 40.662,53.325 41.138,53.325 41.413,53.6 41.587,53.6 41.862,53.325 42.338,53.325 42.613,53.6 54.734,53.6 55.641,52.693 59.951,52.693 60.244,52.4 60.597,52.4 63.597,49.4 64,49.4 64.6,48.8 v1(64.6,48.7)